# Altium PCB BMS_INV_V2.PcbDoc (part 2 of 2)
Units mm, origin at the board's own origin, x right, y up, seen from the top; angles counter-clockwise.
Board outline 299.55 x 105.25 mm, 2 copper layers (Top Layer, Bottom Layer), stack 2.071 mm thick; 130 components, 72 nets, 360 pads, 652 vias.
Unrouted connection lines stored in the file: 8.
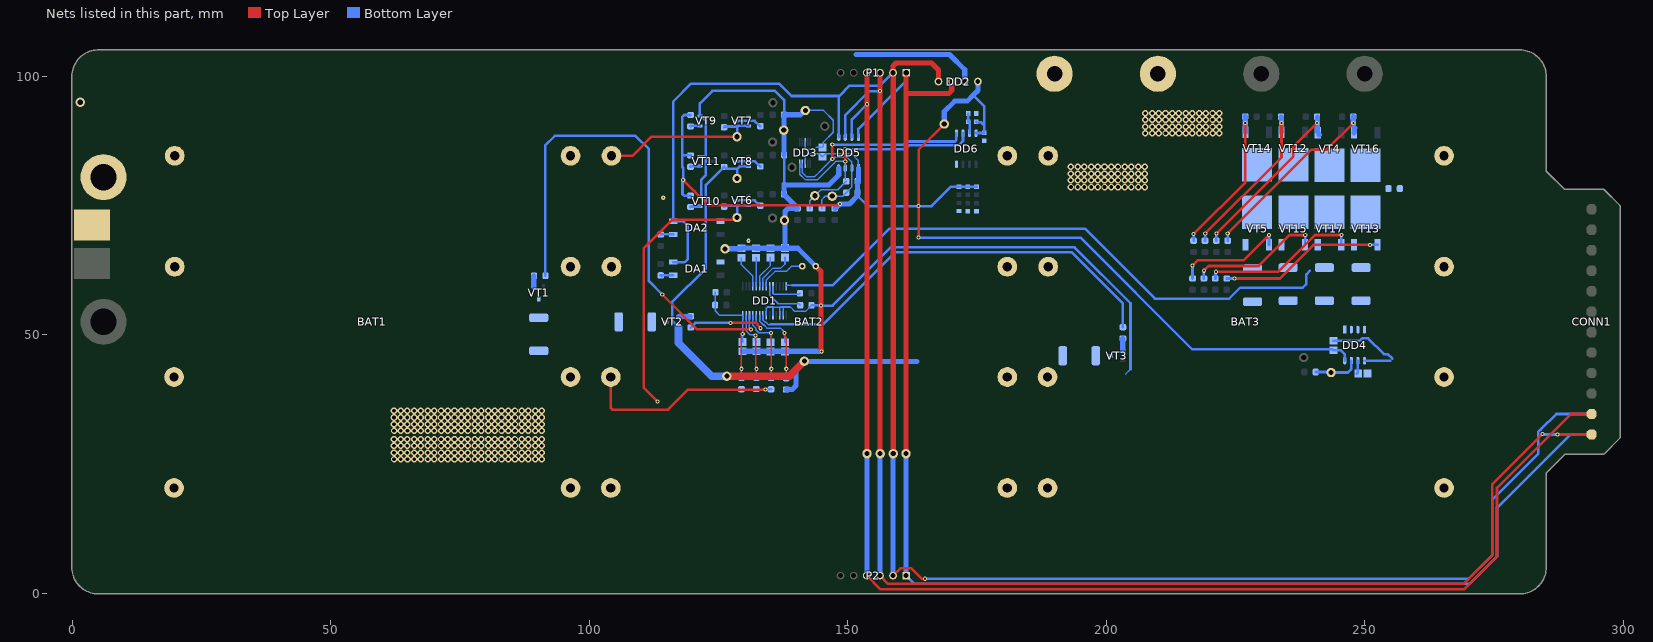
[diagram p2: the nets of this part, all layers, seen from the top]

## Via types
v1: diameter 1.27, hole 0.7, Top Layer to Bottom Layer, tented both sides, 548 vias
v2: diameter 0.8, hole 0.4, Top Layer to Bottom Layer, tented both sides, 50 vias
v3: diameter 1.8, hole 1, Top Layer to Bottom Layer, 28 vias
v4: diameter 0.8, hole 0.4, Top Layer to Bottom Layer, 24 vias
v5: diameter 0.8, hole 0.3, Top Layer to Bottom Layer, 2 vias

## Nets (pads, with @x,y where several pads share a name; then routed paths per layer and width w, separated by ;. In a path a pad name is that pad's centre, name@x,y a point inside that pad or via, vN(x,y) a via of type N, cw(c..) or ccw(c..) an arc to the next point about the centre after c; other vN are vias at no path point) (continued)
GND: BAT3.2 BAT3.4 BAT3.6 BAT3.8 C1.1 C2.2 C3.2 C4.1 C5.1 C6.2 C7.1 C8.1 C9.2 C10.1 C11.2 C12.1 DA1.3 DA2.3 DD1.16 DD1.17 DD1.19 DD1.21 DD2.3 DD3.3 DD4.3 DD4.4 DD4.5 DD5.4 DD6.4 R12.1 R19.1 R22.1 R25.1 R38.2 R50.1 R57.2 R58.1 R59.1 R60.1 RT1.1 TP4.1 TP5.1 TP6.1 TP7.1 VT9.2 VT10.2 VT11.2 | length 299.4
  Top Layer w1: RT1.1@143.8,63.275 144.825,62.25 144.825,46.875 v2(144.9,46.8)
  Bottom Layer w0.3: DD1.21@134.225,53.775 134.225,55.15 134.45,55.375 135.55,55.375 135.525,55.35 ; DD1.19@135.525,53.775 135.525,55.35 ; DD1.17@136.825,53.775 136.825,55.25 136.925,55.35 ; DD1.16@137.475,53.775 137.475,55.325 137.525,55.375 ; DD3.3@141.725,87.3 141.725,86.076 141.901,85.9 143.5,85.9 143.851,86.251 C10.1@145.101,86.251 ; v3(141.792,93.4) 145.3,93.4 147.2,91.5 147.2,89.2 145.277,87.277 145.277,86.453 C10.1@145.075,86.251 ; R12.1@143.013,55.712 R12.1@143,55.725 141.8,54.525 139.75,54.525 138.9,55.375 137.525,55.375 ; v2@144.788,55.712 v2(144.8,55.7) v2@144.85,55.65 ; 203.75,42.4 204.7,43.35 ; 135.525,55.35 136.925,55.35 ; 136.925,55.35 136.95,55.375 137.525,55.375
  Bottom Layer w0.5: 137.675,79.2 R25.1@137.675,84.775 ; R12.1@143.013,55.712 v2@144.788,55.712 ; v2@144.85,55.65 147.05,55.65 158.3,66.9 193.9,66.9 204.7,56.1 204.7,43.35 ; C4.1@243.925,48.826 249.028,48.826 249.528,49.326 250.674,49.326 253.743,46.257 254.45,46.257 255.339,45.368 ; DD4.5@249.96,45 254.97,45
  Bottom Layer w0.508: VT10.2@121.375,76.775 121.575,76.775 121.621,76.821 121.621,79.971 122.55,80.9 122.55,84.525 ; VT11.2@121.375,84.525 122.55,84.525 ; R22.1@137.675,92.575 137.675,95.425 135.9,97.2 123.8,97.2 121.375,94.775 VT9.2@121.375,92.325 121.575,92.325 122.55,91.35 122.55,84.525
  Bottom Layer w1: TP7.1@126.269,66.644 C1.1@129.425,66.644 ; C1.1@129.469,66.77 C5.1@132.181,66.77 ; C2.2@129.6,46.799 v2@144.899,46.799 ; C5.1@132.225,66.751 C7.1@135.025,66.751 C8.1@137.825,66.751 ; R19.1@137.675,77.2 137.775,77.1 137.775,77.05 140.1,74.725 140.1,74.525 R38.2@140.186,74.439 ; R19.1@137.675,77.25 137.675,79.2 137.875,79 146.325,79 148.24,80.915 DD5.4@148.24,82.25 ; R25.1@137.675,84.775 R22.1@137.675,92.575 140.859,92.575 141.684,93.4 v3(141.792,93.4) ; R38.2@140.25,74.425 138.436,74.425 137.85,73.839 C8.1@137.85,66.776 C8.1@137.825,66.751 ; RT1.1@143.8,63.275 140.324,66.751 C8.1@137.825,66.751 ; 151.6,104.25 169.65,104.25 172.625,101.275 DD2.3@172.625,99
  other v3: 126.25,66.625 137.75,72.15 137.6,89.6
  other v5: 130.8,68.2 114.3,76.5
GND_2: CONN1.23 DA1.2 DA2.2 DD2.1 DD5.5 P1.2 P2.2 TP21.1 | length 358.9
  Top Layer w0.5: P2.2@158.75,3.4 160.15,4.8 162.3,4.8 164.287,2.813 164.887,2.813 v4(164.9,2.8)
  Top Layer w1: P1.2@158.75,100.175 158.75,102.014 159.336,102.6 166.2,102.6 167.545,101.255 DD2.1@167.545,99 ; v3(158.8,27) P1.2@158.8,100.125
  Bottom Layer w0.5: DA1.2@116.225,64.07 118.47,64.07 119,64.6 119,71.1 118.13,71.97 DA2.2@116.225,71.97 116.225,95.125 119.7,98.6 136.7,98.6 139.1,96.2 148.35,96.2 ; DD5.5@148.24,88.25 148.24,96.09 148.35,96.2 ; P1.2@158.76,100.7 156.26,98.2 150.35,98.2 148.35,96.2 ; v4(164.9,2.8) 270.1,2.8 274.7,7.4 274.7,18.1 283.55,26.95 283.55,31.152 284.048,31.65 284.05,31.65 287.08,34.68 CONN1.23@293.9,34.68
  Bottom Layer w0.508: P2.2@158.75,4 P2.2@158.775,4.025
  Bottom Layer w1: P2.2@158.775,4.025 158.775,26.975 v3(158.8,27)
IP+: DD4.1 DD4.2 R17.2 R28.2 R46.2 R47.2
NetBAT1_2: BAT1.2 BAT1.4 BAT1.6 BAT1.8 BAT2.1 BAT2.3 BAT2.5 BAT2.7 R7.2 R8.2 R23.1 TP2.1 VT7.2 | length 71.4
  Top Layer w0.508: BAT2.3@104.146,41.832 104.146,35.798 104.444,35.5 115.2,35.5 119.1,39.4 134.045,39.4 v2(134.07,39.425) ; BAT2.7@104.273,84.631 108.331,84.631 112.025,88.325 v3(128.575,88.325)
  Bottom Layer w0.508: R23.1@126.075,90.15 126.225,90.3 128.575,90.3 ; v3(128.575,88.325) 128.575,90.3 ; VT7.2@130.775,90.425 128.7,90.425 128.575,90.3 ; v2(134.07,39.425) 134.083,39.437 135.138,39.437 R7.2@135.15,39.45
NetBAT2_2: BAT2.2 BAT2.4 BAT2.6 BAT2.8 BAT3.1 BAT3.3 BAT3.5 BAT3.7 R10.2 R11.2 R26.1 TP3.1 VT2.2 VT8.2 | length 103.6
  Top Layer w1.5: v3(126.6,42) 138.7,42 v3(141.6,44.9)
  Bottom Layer w0.3: 116.875,51.9 116.875,51.7 117.025,51.55 VT2.2@117.225,51.55 ; R26.1@126.025,82.475 R26.1@126.075,82.475
  Bottom Layer w0.5: 116.875,51.9 116,52.775 116,56.3 122.55,62.85 122.55,79 R26.1@126.025,82.475
  Bottom Layer w0.508: VT2.2@117.187,51.513 VT2.2@117.225,51.55 ; R26.1@126.075,82.475 126.393,82.157 128.575,82.157 v3(128.575,80.25) ; 128.575,82.075 129.1,82.6 VT8.2@130.775,82.6
  Bottom Layer w1: R10.2@138.075,39.4 138.1,39.425 139.246,39.425 140,40.179 140,43.3 v3(141.6,44.9) ; v3@141.497,44.761 v3@141.597,44.861 ; v3@141.624,44.9 141.674,44.85 163.402,44.85
  Bottom Layer w1.5: VT2.2@117.187,51.513 117.225,51.475 117.225,48.475 123.7,42 v3(126.6,42)
NetC1_2: C1.2 DD1.4 | length 6.5
  Bottom Layer w0.3: C1.2@129.425,64.924 129.425,63.55 131.625,61.35 DD1.4@131.625,59.375
NetC2_1: C2.1 DD1.28 R1.1 R5.2 R6.2 | length 23.1
  Top Layer w0.3: v2(129.4,43.42) 129.4,49.742 129.665,50.007 v2(129.665,50.142)
  Bottom Layer w0.3: R6.2@124.375,58.225 124.35,58.2 124.35,55.775 R5.2@124.325,55.75 124.339,55.736 124.339,54.636 125.2,53.775 DD1.28@129.675,53.775 v2@129.675,50.15 ; v2(129.4,43.42) 129.413,43.407 129.413,41.687 R1.1@129.425,41.675 ; C2.1@129.6,48.601 129.665,48.666 v2(129.665,50.142)
NetC3_1: C3.1 DD1.27 R2.1 | length 14.7
  Top Layer w0.3: v2(132.132,49.831) 132.216,49.747 132.216,43.504 v2(132.3,43.42)
  Bottom Layer w0.3: DD1.27@130.325,53.775 130.325,50.775 131.1,50 131.706,50 131.779,49.927 132.036,49.927 v2(132.132,49.831) 132.132,48.819 C3.1@132.35,48.601 ; R2.1@132.3,41.7 v2(132.3,43.42)
NetC5_2: C5.2 DD1.5 | length 5.6
  Bottom Layer w0.3: C5.2@132.225,64.924 132.275,64.874 DD1.5@132.275,59.375
NetC6_1: C6.1 DD1.25 R7.1 | length 16.5
  Top Layer w0.3: v2@135.15,50 135.15,43.47 v2(135.2,43.42)
  Bottom Layer w0.3: DD1.25@131.625,53.775 131.625,51.879 132.208,51.297 132.208,50.958 132.79,50.375 v2(135.15,50.375) 135.15,48.651 C6.1@135.075,48.576 ; R7.1@135.15,41.65 135.175,41.675 135.175,43.395 v2(135.2,43.42)
NetC7_2: C7.2 DD1.6 | length 6.4
  Bottom Layer w0.3: DD1.6@132.925,59.375 132.925,61.325 135.025,63.425 C7.2@135.025,64.949
NetC8_2: C8.2 DD1.7 | length 8.3
  Bottom Layer w0.3: DD1.7@133.575,59.375 133.575,60.95 135.525,62.9 137.05,62.9 137.85,63.7 C8.2@137.85,64.974
NetC9_1: C9.1 DD1.23 R10.1 | length 17.4
  Top Layer w0.3: 137.725,49.95 137.725,49.815 138.1,49.44 v2(138.1,43.42)
  Bottom Layer w0.3: DD1.23@132.925,53.775 132.925,52.64 133.64,51.925 133.736,51.925 134.361,51.3 136.975,51.3 137.511,50.764 137.511,50.724 137.785,50.45 137.825,50.45 C9.1@137.825,48.576 ; R10.1@138.075,41.6 138.088,41.612 138.088,43.407 v2(138.1,43.42)
  other v2: 137.725,50.375
NetC11_1: C11.1 DD4.6 | length 2.6
  Bottom Layer w0.5: C11.1@248.499,42.5 248.69,42.691 DD4.6@248.69,45
NetDA1_1: DA1.1 R51.1 | length 2.6
  Bottom Layer w0.5: R51.1@113.7,61.515 116.21,61.515 DA1.1@116.225,61.53 ; R51.1@114,61.3 R51.1@114.015,61.315
NetDA2_1: DA2.1 R52.1 | length 2.4
  Bottom Layer w0.5: R52.1@113.8,69.4 113.815,69.415 116.21,69.415 DA2.1@116.225,69.43
NetDD1_8: DD1.8 RT1.2 | length 9.3
  Bottom Layer w0.3: DD1.8@134.225,59.375 134.225,60.575 135.9,62.25 138.075,62.25 139.1,63.275 RT1.2@141.2,63.275
NetDD1_9: DD1.9 R12.2 | length 8.4
  Bottom Layer w0.3: DD1.9@134.875,59.375 134.875,57.65 136.525,56 140.525,56 R12.2@140.8,55.725
NetDD1_10: DD1.10 R14.1 | length 6.8
  Bottom Layer w0.3: DD1.10@135.525,59.375 135.525,57.976 135.701,57.8 140.55,57.8 R14.1@140.775,58.025
NetDD1_14: DD1.14 R17.1 R28.1 R46.1 R47.1 VT5.3 VT13.3 VT15.3 VT17.3 | length 115
  Bottom Layer w0.3: DD1.14@138.125,59.375 138.125,59.6 139.3,59.6
  Bottom Layer w0.5: 139.3,59.6 147.1,59.6 158.05,70.55 195.85,70.55 209.4,57 223.8,57 225.9,59.1 238,59.1 238.7,59.8 238.7,61.7 239.4,62.4
NetDD1_22: DD1.22 R13.1 | length 85.5
  Bottom Layer w0.3: DD1.22@133.575,53.775 133.575,52.839 133.889,52.525 134.075,52.525 134.7,51.9 134.949,51.9 135.049,52 135.1,52
  Bottom Layer w0.5: 135.1,52 145.2,52 159.2,66 193.3,66 203.225,56.075 R13.1@203.225,51.475
NetDD1_24: DD1.24 R9.1 | length 17.2
  Top Layer w0.5: v2(127.3,52.3) 132.255,52.3 132.608,51.946 132.608,51.84 133.091,51.357 v2(133.091,51.276)
  Bottom Layer w0.3: DD1.24@132.275,53.775 132.275,52.325 132.501,52.099 132.501,51.887 133.091,51.296 v2(133.091,51.276)
  Bottom Layer w0.5: R9.1@119.625,51.4 119.648,51.4 120.025,51.777 120.025,51.8 120.525,52.3 v2(127.3,52.3)
NetDD1_26: DD1.26 R4.1 | length 99.1
  Top Layer w0.5: v2(114.1,57.8) 120.849,51.051 v2(131.251,51.051)
  Bottom Layer w0.3: DD1.26@130.975,53.77 130.975,53.037 130.97,53.032 130.97,51.364 131.251,51.082 v2(131.251,51.051)
  Bottom Layer w0.5: R4.1@91.5,61.4 91.5,86.7 93.3,88.5 108.9,88.5 111.5,85.9 111.5,60.4 v2(114.1,57.8)
NetDD4_7: DD4.7 R31.2 TP16.1 | length 8.9
  Bottom Layer w0.5: R31.2@240.5,42.8 243.4,42.8 v3(243.5,42.7) ; TP16.1@243.312,42.512 TP16.1@243.398,42.425 ; TP16.1@243.897,42.203 244.021,42.327 244.021,42.576 244.146,42.7 246.75,42.7 247.42,43.37 DD4.7@247.42,45
NetR3_1: R3.1 VT1.3
NetR4_2: R4.2 VT1.1 | length 2
  Bottom Layer w1: VT1.1@89.25,59.3 R4.2@89.25,61.35
NetR8_1: R8.1 VT2.3
NetR9_2: R9.2 VT2.1 | length 2.5
  Bottom Layer w0.3: VT2.1@117.225,53.45 VT2.1@117.3,53.525 ; R9.2@119.55,53.525 R9.2@119.625,53.6
  Bottom Layer w1: VT2.1@117.3,53.525 R9.2@119.55,53.525
NetR11_1: R11.1 VT3.3
NetR13_2: R13.2 VT3.1 | length 2.5
  Bottom Layer w0.3: R13.2@203.225,49.275 R13.2@203.3,49.35
  Bottom Layer w1: VT3.1@203.2,46.9 R13.2@203.2,49.25
NetR15_1: R15.1 VT5.1 | length 21.5
  Top Layer w0.508: v2(216.7,63.4) 217.7,64.4 226.6,64.4 v2(231.5,69.3)
  Bottom Layer w0.508: R15.1@216.7,60.9 v2(216.7,63.4) ; VT5.1@231.48,67.4 231.49,67.41 231.49,69.09 v2@231.5,69.1
NetR16_1: R16.1 R33.2 VT4.1 | length 34
  Top Layer w0.508: v2(221.3,69.6) 236.2,84.5 236.2,86.4 v2(240.8,91)
  Bottom Layer w0.508: R33.2@221.3,68.2 v2(221.3,69.6) ; R16.1@240.8,92.2 R16.1@240.86,92.14 ; VT4.1@241.16,88.76 241.22,88.7 VT4.1@241.21,88.69
  Bottom Layer w1: VT4.1@240.86,89.26 R16.1@240.86,92.14 ; VT4.1@241.2,88.68 VT4.1@241.21,88.69
NetR18_2: R18.2 VT6.3 | length 5.1
  Bottom Layer w0.508: VT6.3@128.375,76 131.975,76 133,74.975 R18.2@133.075,74.975
NetR21_2: R21.2 VT7.3 | length 5.1
  Bottom Layer w0.508: VT7.3@128.375,91.375 131.975,91.375 133,90.35 R21.2@133.075,90.35
NetR24_2: R24.2 VT8.3 | length 5.1
  Bottom Layer w0.508: VT8.3@128.375,83.55 132,83.55 133,82.55 R24.2@133.075,82.55
NetR27_1: R27.1 VT9.1 | length 1.8
  Bottom Layer w0.508: R27.1@119.575,90.325 119.675,90.425 VT9.1@121.375,90.425
NetR29_1: R29.1 VT10.1 | length 1.9
  Bottom Layer w0.508: R29.1@119.575,74.725 119.679,74.829 121.329,74.829 VT10.1@121.375,74.875
NetR30_1: R30.1 VT11.1 | length 1.9
  Bottom Layer w0.508: R30.1@119.575,82.5 119.7,82.625 VT11.1@121.375,82.625
NetR36_1: R36.1 R39.1 VT12.1 | length 32
  Top Layer w0.508: v2(219.154,69.588) 233.9,84.334 v2(233.9,91)
  Bottom Layer w0.508: R39.1@219.1,68.2 219.127,68.227 219.127,69.561 v2(219.154,69.588) ; R36.1@233.8,92.2 R36.1@233.86,92.14 ; VT12.1@233.86,89.26 VT12.1@233.92,89.2
  Bottom Layer w1: VT12.1@233.86,89.26 233.9,89.3 233.9,92.1 R36.1@233.86,92.14
NetR37_2: R37.2 VT13.1 | length 31.9
  Top Layer w0.508: v2(224.8,60.9) 233.6,60.9 240.1,67.4 v2(251,67.4)
  Bottom Layer w0.508: R37.2@223.3,60.9 v2(224.8,60.9) ; v2(251,67.4) VT13.1@252.48,67.4
NetR40_1: R40.1 R42.1 VT14.1 | length 30.1
  Top Layer w0.508: v2(216.9,69.5) 226.9,79.5 v2@226.9,91.1
  Bottom Layer w0.508: R42.1@216.9,68.2 v2(216.9,69.5) ; R40.1@226.9,92.2 R40.1@226.91,92.19
  Bottom Layer w1: R40.1@226.91,92.19 226.9,92.18 226.9,89.22 VT14.1@226.92,89.2
  other v2: 226.9,91
NetR41_2: R41.2 VT15.1 | length 25.8
  Top Layer w0.508: v2(218.9,62.4) 219.8,63.3 229.5,63.3 235.5,69.3 v2(238.5,69.3)
  Bottom Layer w0.508: R41.2@218.9,60.9 v2(218.9,62.4) ; VT15.1@238.48,67.4 238.49,67.41 238.49,69.19 v2@238.5,69.2
NetR43_1: R43.1 R45.1 VT16.1 | length 37.2
  Top Layer w0.508: v2(223.5,69.6) 239.7,85.8 ; 239.723,85.8 242.623,85.8 ; 242.6,85.8 v2(247.8,91)
  Bottom Layer w0.508: R45.1@223.5,68.2 v2(223.5,69.6)
  Bottom Layer w1: 247.8,90.48 R43.1@247.8,92.2 ; VT16.1@247.92,89.1 248.02,89.2 248.02,89.9 VT16.1@248.1,89.98
NetR44_2: R44.2 VT17.1 | length 30.3
  Top Layer w0.508: v2@221.244,62.2 233.3,62.2 240.4,69.3 v2(245.5,69.3)
  Bottom Layer w0.508: R44.2@221.1,60.9 221.15,60.95 221.15,62.15 v2(221.2,62.2) ; VT17.1@245.48,67.4 245.49,67.41 245.49,69.19 v2@245.5,69.2
P+: BAT1.1 BAT1.3 BAT1.5 BAT1.7 CN2.1 CONN1.13 CONN1.14 CONN1.15 CONN1.16 CONN1.17 CONN1.18 CONN1.19 CONN1.20 R1.2 R2.2 R3.2 R20.1 TP1.1 VT6.2 X2.2 | length 58.4
  Top Layer w0.508: v2(113.2,37.081) 110.5,39.781 110.5,66.7 116.058,72.258 127.808,72.258 128.225,72.675 v3(128.575,72.675)
  Bottom Layer w0.508: R20.1@126.075,74.775 126.3,75 128.575,75 ; v3(128.575,72.675) 128.575,75 ; VT6.2@130.775,75.05 128.625,75.05 128.575,75
  other v1: 62.207,25.899 63.507,25.899 64.807,25.899 66.107,25.899 67.407,25.899 68.707,25.899 70.007,25.899 71.307,25.899 72.607,25.899 73.907,25.899 75.207,25.899 76.507,25.899 77.807,25.899 79.107,25.899 80.407,25.899 81.707,25.899 83.007,25.899 84.307,25.899 85.607,25.899 86.907,25.899 88.207,25.899 89.507,25.899 90.807,25.899 62.2,27.2 63.5,27.2 64.8,27.2 66.1,27.2 67.4,27.2 68.7,27.2 70,27.2 71.3,27.2 72.6,27.2 73.9,27.2 75.2,27.2 76.5,27.2 77.8,27.2 79.1,27.2 80.4,27.2 81.7,27.2 83,27.2 84.3,27.2 85.6,27.2 86.9,27.2 88.2,27.2 89.5,27.2 90.8,27.2 62.2,28.5 63.5,28.5 64.8,28.5 66.1,28.5 67.4,28.5 68.7,28.5 70,28.5 71.3,28.5 72.6,28.5 73.9,28.5 75.2,28.5 76.5,28.5 77.8,28.5 79.1,28.5 80.4,28.5 81.7,28.5 83,28.5 84.3,28.5 85.6,28.5 86.9,28.5 88.2,28.5 89.5,28.5 90.8,28.5 62.2,29.8 63.5,29.8 64.8,29.8 66.1,29.8 67.4,29.8 68.7,29.8 70,29.8 71.3,29.8 72.6,29.8 73.9,29.8 75.2,29.8 76.5,29.8 77.8,29.8 79.1,29.8 80.4,29.8 81.7,29.8 83,29.8 84.3,29.8 85.6,29.8 86.9,29.8 88.2,29.8 89.5,29.8 90.8,29.8 62.207,31.399 63.507,31.399 64.807,31.399 66.107,31.399 67.407,31.399 68.707,31.399 70.007,31.399 71.307,31.399 72.607,31.399 73.907,31.399 75.207,31.399 76.507,31.399 77.807,31.399 79.107,31.399 80.407,31.399 81.707,31.399 83.007,31.399 84.307,31.399 85.607,31.399 86.907,31.399 88.207,31.399 89.507,31.399 90.807,31.399 62.2,32.7 63.5,32.7 64.8,32.7 66.1,32.7 67.4,32.7 68.7,32.7 70,32.7 71.3,32.7 72.6,32.7 73.9,32.7 75.2,32.7 76.5,32.7 77.8,32.7 79.1,32.7 80.4,32.7 81.7,32.7 83,32.7 84.3,32.7 85.6,32.7 86.9,32.7 88.2,32.7 89.5,32.7 90.8,32.7 62.2,34 63.5,34 64.8,34 66.1,34 67.4,34 68.7,34 70,34 71.3,34 72.6,34 73.9,34 75.2,34 76.5,34 77.8,34 79.1,34 80.4,34 81.7,34 83,34 84.3,34 85.6,34 86.9,34 88.2,34 89.5,34 90.8,34 62.2,35.3 63.5,35.3 64.8,35.3 66.1,35.3 67.4,35.3 68.7,35.3 70,35.3 71.3,35.3 72.6,35.3 73.9,35.3 75.2,35.3 76.5,35.3 77.8,35.3 79.1,35.3 80.4,35.3 81.7,35.3 83,35.3 84.3,35.3 85.6,35.3 86.9,35.3 88.2,35.3 89.5,35.3 90.8,35.3
  other v3: 1.5,95
P-: CN1.1 CN1.2 R50.2 VT4.2 VT5.2 VT12.2 VT13.2 VT14.2 VT15.2 VT16.2 VT17.2
  other v1: 193.172,78.583 194.472,78.583 195.772,78.583 197.072,78.583 198.372,78.583 199.672,78.583 200.972,78.583 202.272,78.583 203.572,78.583 204.872,78.583 206.172,78.583 207.472,78.583 193.165,79.884 194.465,79.884 195.765,79.884 197.065,79.884 198.365,79.884 199.665,79.884 200.965,79.884 202.265,79.884 203.565,79.884 204.865,79.884 206.165,79.884 207.465,79.884 193.165,81.184 194.465,81.184 195.765,81.184 197.065,81.184 198.365,81.184 199.665,81.184 200.965,81.184 202.265,81.184 203.565,81.184 204.865,81.184 206.165,81.184 207.465,81.184 193.165,82.484 194.465,82.484 195.765,82.484 197.065,82.484 198.365,82.484 199.665,82.484 200.965,82.484 202.265,82.484 203.565,82.484 204.865,82.484 206.165,82.484 207.465,82.484 207.572,88.983 208.872,88.983 210.172,88.983 211.472,88.983 212.772,88.983 214.072,88.983 215.372,88.983 216.672,88.983 217.972,88.983 219.272,88.983 220.572,88.983 221.872,88.983 207.565,90.284 208.865,90.284 210.165,90.284 211.465,90.284 212.765,90.284 214.065,90.284 215.365,90.284 216.665,90.284 217.965,90.284 219.265,90.284 220.565,90.284 221.865,90.284 207.565,91.584 208.865,91.584 210.165,91.584 211.465,91.584 212.765,91.584 214.065,91.584 215.365,91.584 216.665,91.584 217.965,91.584 219.265,91.584 220.565,91.584 221.865,91.584 207.565,92.884 208.865,92.884 210.165,92.884 211.465,92.884 212.765,92.884 214.065,92.884 215.365,92.884 216.665,92.884 217.965,92.884 219.265,92.884 220.565,92.884 221.865,92.884
SCL: DD3.10 DD5.3 DD6.6 R34.2 R48.2 TP9.1 | length 53.5
  Top Layer w0.5: v4(149.5,83.5) v4(149.5,85.9)
  Bottom Layer w0.3: DD3.10@140.725,83.1 140.725,81.045 141.74,80.03 144.205,80.03 147.775,83.6 149.175,83.6 149.51,83.265 DD5.3@149.51,82.25 R48.2@149.51,80.109 ; R34.2@142.65,74.425 142.65,75.925 v3(143.625,76.9) 144.8,78.075 148.075,78.075 R48.2@149.7,79.7
  Bottom Layer w0.5: v4(149.5,85.9) 161.1,85.9 161.9,86.7 171.5,86.7 172.29,87.49 DD6.6@172.29,89
SCL_2: CONN1.1 DD5.6 P1.3 P2.3 TP20.1 | length 267.5
  Top Layer w0.5: P2.3@156.21,3.4 157.81,1.8 269.1,1.8 274.7,7.4 274.7,21.1 v4(284.4,30.8) ; v4(287.3,30.7) 293.88,30.7 CONN1.1@293.9,30.72
  Top Layer w1: v3(156.25,27) v4(156.25,97.15) ; v4(156.25,97.15) P1.3@156.25,100.175
  Bottom Layer w0.5: DD5.6@149.51,88.25 149.51,92.51 154.15,97.15 v4(156.25,97.15) ; v4(284.4,30.8) 284.457,30.743 284.67,30.743 284.712,30.7 v4(287.3,30.7)
  Bottom Layer w1: P2.3@156.25,4 v3(156.25,27)
SDA: DD3.9 DD5.2 DD6.5 R32.2 R49.2 TP12.1 | length 55.4
  Top Layer w0.5: v4(147,84) v4(147,86.8)
  Bottom Layer w0.3: 141.225,81.351 DD3.9@141.225,83.1 ; 141.295,81.351 141.295,81.281 141.976,80.6 143.6,80.6 144.5,81.5 144.536,81.5 144.975,81.939 144.975,81.975 v4(147,84) 147.087,84 147.426,84.339 149.861,84.339 150.78,83.42 DD5.2@150.78,82.25 150.78,78.58 R49.2@149.7,77.5 149.025,76.825 v3(146.975,76.825) 145.65,76.825 144.99,76.165 144.99,74.46 R32.2@145.025,74.425
  Bottom Layer w0.5: v4(147,86.8) 160.9,86.8 161.5,87.4 170.7,87.4 171.02,87.72 DD6.5@171.02,89
SDA_2: CONN1.2 DD5.7 P1.4 P2.4 TP19.1 | length 266.9
  Top Layer w0.5: P2.4@153.67,3.4 156.27,0.8 269.3,0.8 275.6,7.1 275.6,20.4 289.88,34.68 CONN1.2@293.9,34.68
  Top Layer w0.508: P1.4@153.725,100.15 P1.4@153.75,100.175
  Top Layer w1: v3(153.725,27) TP19.1@153.725,27.025 153.737,27.037 153.737,99.805 153.725,99.818 P1.4@153.725,100.15
  Bottom Layer w0.5: DD5.7@150.78,88.25 150.78,91.68 v4(153.7,94.6)
  Bottom Layer w0.508: P2.4@153.725,4.025 P2.4@153.75,4
  Bottom Layer w1: P2.4@153.725,4.025 153.725,4.357 153.738,4.37 153.738,26.987 v3(153.725,27)
VDD: C4.2 C10.2 C12.2 DD2.4 DD3.8 DD4.8 DD5.1 DD6.8 R27.2 R29.2 R30.2 R35.2 R48.1 R49.1 R53.1 R54.2 R55.2 R56.2 TP13.1 | length 243.8
  Top Layer w0.5: v2(118.15,79.95) 120.379,77.721 123,75.1 148.194,75.1 148.419,75.325 v2(148.5,75.325) ; v2(163.7,68.8) v2(163.7,74.9) 163.7,85.8 v3(168.675,90.775)
  Bottom Layer w0.3: DD3.8@141.725,83.1 141.725,84.475 142.3,85.05 144.474,85.05 C10.2@145.075,84.449 145.626,85 150.725,85 152.05,83.675 DD5.1@152.05,82.25
  Bottom Layer w0.5: R49.1@151.9,76.9 153.9,74.9 v2(163.7,74.9) 166.2,74.9 169.975,78.675 R56.2@171.5,78.675 ; v2(163.7,68.8) 195,68.8 216.6,47.2 243.749,47.2 C4.2@243.925,47.024 245.326,47.024 246.15,46.2 DD4.8@246.15,45 ; R56.2@171.525,78.65 R54.2@174.9,78.65 ; 174.25,96.35 176.363,94.237 176.363,89.037 174.868,89.037 DD6.8@174.83,89 ; R53.1@174.875,91.2 174.93,91.145 175.755,91.145 176.2,90.7
  Bottom Layer w0.508: v2@118.015,79.95 118.094,79.871 118.094,79.815 118.027,79.748 118.027,77.223 118.325,76.925 R29.2@119.575,76.925 ; v2(118.15,79.95) 118.15,82.29 117.95,82.49 117.95,84.75 ; R30.2@119.575,84.7 118,84.7 117.95,84.75 ; R27.2@119.575,92.525 118.35,92.525 117.95,92.125 117.95,84.75
  Bottom Layer w1: R35.2@147.5,74.425 147.6,74.525 147.65,74.525 147.7,74.575 147.75,74.575 v2(148.5,75.325) 150.325,75.325 151.9,76.9 R48.1@151.9,79.7 ; R48.1@152.05,79.7 152.05,80.875 DD5.1@152.05,82.25 ; v3(168.675,90.775) 168.675,93.175 170.7,95.2 173.1,95.2 174.25,96.35 175.165,97.265 DD2.4@175.165,99
VDD_2: CONN1.24 DD2.2 DD5.8 P1.1 P2.1 TP8.1 | length 274.2
  Top Layer w1: v3(161.25,27) 161.25,96.7 ; P1.1@161.25,100.175 161.25,96.7 ; DD2.2@170.115,99 170.115,97.286 169.529,96.7 161.25,96.7
  Bottom Layer w0.5: DD5.8@152.05,88.25 152.05,89.85 161.3,99.1 P1.1@161.3,100.7 ; P2.1@161.29,3.4 162.89,1.8 270.3,1.8 275.6,7.1 275.6,16.5 289.82,30.72 CONN1.24@293.9,30.72
  Bottom Layer w0.508: v3(161.25,27) TP8.1@161.25,27.15
  Bottom Layer w1: P2.1@161.25,4 v3(161.25,27)
WP: DD6.7 R53.2 R57.1 | length 3.8
  Bottom Layer w0.508: R53.2@173.325,91.2 R57.1@173.325,92.775 ; DD6.7@173.56,89 R53.2@173.56,91.2
pads on no net: CONN1.4 CONN1.21 DD1.1 DD1.13 DD1.15 DD1.18 DD1.20 VT1.2 VT3.2

## Polygon pours and split planes (outlines as drawn)
CH on Top Layer "NONET_L-01_P-001" (solid, shelved, pour order 4): 288.7,75.2 284.2,79.7 283.6,79.7 280.2,76.3 280.2,74.7 282.6,74.7 284.9,72.4
GND on Top Layer "NONET_L01_P003" (solid, shelved, pour order 3): 94.2,104.5 94.2,27.1 177.4,27.1 177.399,104.5
CH on Top Layer "NONET_L01_P000" (solid, remove dead copper, shelved, pour order 0): 224.5,88 192.1,64.2 192.1,8.8 256.3,8.8 256.3,94.2 224.5,94.2
P- on Top Layer "NONET_L01_P001" (solid, remove dead copper, shelved, pour order 1): 223.2,88.196 192,65.74 192,87.903 192,104.512 223.2,104.603
GND on Bottom Layer "NONET_L02_P002" (solid, remove dead copper, shelved, pour order 2): 84.5,104.9 84.5,38.1 256.248,38.1 256.248,104.9
no net on Top Solder "NONET_L-01_P-001" (solid, shelved): 289,77.994 289,26.894 299,26.894 299,77.994
no net on Bottom Solder "NONET_L-01_P-001" (solid, shelved): 289,78.1 289,27 299,27 299,78.1

## Other copper
Top Layer:
  rectangle net CH: 269.2,45.5 297.5,75.4
  rectangle net GND: 257.6,18.45 267.3,86.6
  region net CH: 225.6,60.3 192.1,60.3 192.1,16.5 225.6,16.5
  rectangle net CH: 253.496,87.4 272.8,101.189
  rectangle net CH: 269,68.7 284.8,90.9
  rectangle net P-: 178.5,88.3 223.2,104.8
  rectangle net CH: 224.5,91.7 271,104.5
  region net P+: 92.4,88 92.4,104.607 8.4,104.607 8.4,88
  rectangle net P+: 17.5,18 92.4,104.5
  region net CH: 225.6,8.7 225.6,17.1 163.5,17.1 163.5,8.7
  region net CH: 177.5,8.8 177.5,25.2 108,25.2 108,8.8
  region net CH: 139,0.3 139,17 14.6,17 14.6,0.3
  region net CH: 14.6,0.3 23.35,9.05 9.15,23.25 0.4,14.5
  region net CH: 284.575,90.9 270.925,104.55 260.963,94.588 274.613,80.938
  rectangle net CH: 0.4,14.5 16,66.5
  rectangle net P+: 0.2,68.5 92.3,96.5
  rectangle net NetBAT1_2: 94.225,18 106.3,96.4
  rectangle net NetBAT2_2: 178.675,18.2 190.9,86.8
  pour cut-out: 138.5,104.55 138.5,97.45 138.5,96.8 146.4,96.8 146.4,104.55
Bottom Layer:
  rectangle net P+: 281.7,38.5 287.2,50.1
  region net P+: 271.3,22.7 287.2,38.6 281,44.8 265.1,28.9
  region net P+: 270.2,75.4 270.2,39.054 282.3,39.054 282.3,75.4
  region net P+: 269.4,26 294.573,51.173 288.073,57.673 262.9,32.5
  region net P+: 270.3,75.354 270.3,45.5 297.5,45.5 297.5,75.354
  region net P+: 271.35,37.4 163.154,37.4 163.154,22.7 271.35,22.7
  rectangle net P+: 26.4,18.1 93,48.3
  rectangle net P+: 26.8,23.3 146.6,38.3
  rectangle net GND: 256.1,61.7 267.3,86.6
  rectangle net NetBAT2_2: 178.7,82.4 190.9,86.8
  rectangle net NetBAT1_2: 94.4,18.4 106.1,22.3
  rectangle net GND: 254.2,38.1 267.3,66
  rectangle net CH: 102.5,8.8 146.6,16.9
  rectangle net P+: 8.725,75.95 42.7,104.4
  region net P-: 200.8,70.2 212.98,82.38 204.534,90.826 192.354,78.646
  region net GND: 263.45,47.05 254.7,55.8 247.65,48.75 256.4,40
  rectangle net CH: 224.5,93.3 270.5,104.6
  rectangle net P-: 178.5,87.6 210.224,104.6
  rectangle net GND: 202.5,39.5 205,45.3
  rectangle net P-: 192,76.9 223.4,104.6
  rectangle net CH: 228.3,87.6 232.5,96.6
  rectangle net CH: 235.3,87.5 239.5,96.5
  rectangle net CH: 242.4,87.4 246.5,96.4
  rectangle net CH: 249.5,87.4 270.5,96.8
  rectangle net P-: 200.5,70.6 255.4,86.6
  rectangle net NetDD1_14: 246.926,60.506 249.926,68.6
  rectangle net NetDD1_14: 239.926,60.406 242.926,68.6
  rectangle net NetDD1_14: 232.9,60.4 235.9,68.6
  rectangle net NetDD1_14: 226,60.4 229,68.6
  rectangle net NetDD1_14: 225.5,60.4 253.3,64.4
  rectangle net IP+: 225.5,50.1 247.8,55.95
  rectangle net GND: 248.275,47.525 265.5,53.6
  rectangle net CH: 0.4,14.3 15.9,66.6
  rectangle net P+: 17.5,18 84.2,104.4
  rectangle net P+: 108,18.1 146.6,31.4
  region net P+: 133.4,34.975 133.4,40.3 128.3,40.3 128.3,34.975
  region net NetBAT1_2: 95.4,58.5 95.4,60.1 90.5,60.1 90.5,58.5
  region net NetBAT1_2: 103.875,53.9 103.875,59.225 99.175,59.225 99.175,53.9
  region net NetR3_1: 92.475,52.2 92.475,57.525 87.775,57.525 87.775,52.2
  rectangle net P+: 141.6,29 177.2,43
  rectangle net NetBAT2_2: 141.497,44.1 186.525,45.7
  region net CH: 138.9,0.3 138.9,16.9 14.6,16.9 14.6,0.3
  region net CH: 14.6,0.3 24.15,9.85 10,24 0.45,14.45
  rectangle net P+: 0.325,68.4 34.3,96.6
  rectangle net GND: 202.5,39.5 257,41.1
  rectangle net NetBAT2_2: 178.7,39.4 192.6,65.1
  region net NetR11_1: 201.525,48.25 197.05,48.25 197.05,43.65 201.525,43.65
  rectangle net NetR8_1: 111.125,50.25 115.35,54.775
  rectangle net IP+: 225.5,54.1 251.9,57.825
  rectangle net NetBAT1_2: 93.4,39 107.8,87.9
  pour cut-out: 193.2,49.2 193.2,42.8 197.2,42.8 197.3,42.8 197.3,49.2
  pour cut-out: 138.5,104.55 138.5,97.45 138.5,96.8 146.4,96.8 146.4,104.55

## Silkscreen, mask and mechanical layers (free items; w line width, h text height)
Top Overlay:
  circle w1: c280,100 r2.5
  circle w1: c142.5,100 r2.5
  circle w1: c142.5,5 r2.5
  circle w1: c280,5 r2.5
  circle w1: c5,100 r2.5
  circle w1: c5,5 r2.5
  text "-  -" at 234.88,101.68 h3
  text "P-" at 194.2,99.3 h3
  text "P-" at 201.1,99.3 h3
  text "+" at 3.3,86.267 h8
  text "GND" at 285.446,57.654 h2 r90
  text "-" at 9.399,39.1 h8 r90
  text "DO_EXT" at 278.954,38.121 h1
  text "SDA" at 281.454,34.354 h1
  text "SCL" at 281.554,30.254 h1
  text "Designed by Jekadesigner 17.03.2025" at 21.4,5.8 h2
Bottom Overlay:
  lines w0.254: 151.2,72.8 150.6,73.4 ; 151.2,74 150.6,73.4 ; 153.4,73.4 150.6,73.4 ; 150.6,73.4 150.6,73.4 ; 150.6,73.4 150.6,73.4
  text "-  -" at 234.88,101.68 h3
  text "P-" at 199,99.2 h3
  text "P-" at 205.2,99.2 h3
  text "+" at 8.7,94.233 h8 r180
  text "0" at 176.754,92.454 h0.8
  text "WP" at 179.346,91.554 h0.8
  text "1" at 177.146,90.954 h0.8
  text "A0_A1_A2" at 176.146,71.787 h0.8
  text "1-GND" at 155.154,70.954 h1 r270
  text "2-SCL" at 156.754,70.954 h1 r270
  text "3-SDA" at 158.354,70.954 h1 r270
  text "4-VDD" at 159.954,70.954 h1 r270
  text "1 2 3 4" at 139.954,67.746 h1.2 r180
  text "SOLDER ONLY ONE RESISTOR" at 166.654,63.654 h1 r270
  text "FOR ADDRESS SETTING" at 164.754,63.554 h1 r270
  text "VCC" at 285.446,57.354 h2 r90
  text "-" at 1.871,45.569 h8 r270
  text "CO_EXT" at 284.246,38.121 h1
  text "GND_2" at 284.246,34.321 h1
  text "SDA" at 152.854,33.354 h1.52 r270
  text "SCL" at 155.454,33.354 h1.52 r270
  text "GND" at 158.054,33.354 h1.52 r270
  text "VDD" at 160.754,33.354 h1.52 r270
  text "VDD_2" at 283.946,30.221 h1
  text "DO_EXT" at 147.708,29.054 h1.52 r270
  text "CO_EXT" at 150.308,29.054 h1.52 r270
Mechanical 1:
  circle w0.254: c280,100 r1.5
  circle w0.254: c142.5,100 r1.5
  circle w0.254: c142.5,5 r1.5
  circle w0.254: c5,5 r1.5
  circle w0.254: c5,100 r1.5
  circle w0.254: c280,5 r1.5
  lines w0.254: 4.85,105 280,105 cw(c280,100) 285,100 285,81.6 288.55,78.05 296.15,78.05 299.3,74.9 299.3,30.1 296.25,27.05 288.75,27.05 285,23.3 285,5 cw(c280,5) 280,0 ; 4.95,0 280.025,0 ; 5,0 cw(c5,5) 0,5 0,100 cw(c5,100) 5,105

## Text inside footprints (layer, text, board x,y; h text height)
BAT1: Top Overlay "+" at 22.143,12.876 h5.08 r90; Top Overlay "+" at 22.143,34.339 h5.08 r90; Top Overlay "+" at 22.143,55.802 h5.08 r90; Top Overlay "+" at 22.016,77.138 h5.08 r90; Top Overlay "-" at 98.893,13.003 h5.08 r90; Top Overlay "-" at 98.893,34.339 h5.08 r90; Top Overlay "-" at 98.893,55.802 h5.08 r90; Top Overlay "-" at 98.893,77.138 h5.08 r90; Bottom Overlay "+" at 22.143,34.339 h5.08 r90; Bottom Overlay "+" at 22.143,12.876 h5.08 r90; Bottom Overlay "+" at 22.184,55.762 h5.08 r90; Bottom Overlay "+" at 22.016,77.138 h5.08 r90; Bottom Overlay "-" at 98.893,55.802 h5.08 r90; Bottom Overlay "-" at 98.893,77.138 h5.08 r90; Bottom Overlay "-" at 98.893,34.339 h5.08 r90; Bottom Overlay "-" at 98.893,13.003 h5.08 r90
BAT2: Top Overlay "+" at 106.643,34.339 h5.08 r90; Top Overlay "+" at 106.643,55.802 h5.08 r90; Top Overlay "+" at 106.516,77.138 h5.08 r90; Top Overlay "-" at 183.393,13.003 h5.08 r90; Top Overlay "-" at 183.393,34.339 h5.08 r90; Top Overlay "-" at 183.393,55.802 h5.08 r90; Top Overlay "-" at 183.393,77.138 h5.08 r90; Top Overlay "+" at 106.643,12.876 h5.08 r90; Bottom Overlay "+" at 106.643,34.339 h5.08 r90; Bottom Overlay "+" at 106.643,12.876 h5.08 r90; Bottom Overlay "+" at 106.643,55.802 h5.08 r90; Bottom Overlay "+" at 106.516,77.138 h5.08 r90; Bottom Overlay "-" at 183.393,55.802 h5.08 r90; Bottom Overlay "-" at 183.393,77.138 h5.08 r90; Bottom Overlay "-" at 183.393,34.339 h5.08 r90; Bottom Overlay "-" at 183.393,13.003 h5.08 r90
BAT3: Top Overlay "-" at 267.893,77.138 h5.08 r90; Top Overlay "-" at 267.893,55.802 h5.08 r90; Top Overlay "-" at 267.893,34.339 h5.08 r90; Top Overlay "-" at 267.893,13.003 h5.08 r90; Top Overlay "+" at 191.016,77.138 h5.08 r90; Top Overlay "+" at 191.143,55.802 h5.08 r90; Top Overlay "+" at 191.143,34.339 h5.08 r90; Top Overlay "+" at 191.143,12.876 h5.08 r90; Bottom Overlay "-" at 267.893,13.003 h5.08 r90; Bottom Overlay "-" at 267.893,34.339 h5.08 r90; Bottom Overlay "-" at 267.893,77.138 h5.08 r90; Bottom Overlay "-" at 267.893,55.802 h5.08 r90; Bottom Overlay "+" at 191.016,77.138 h5.08 r90; Bottom Overlay "+" at 191.143,55.802 h5.08 r90; Bottom Overlay "+" at 191.143,12.876 h5.08 r90; Bottom Overlay "+" at 191.143,34.339 h5.08 r90